# Altium PCB FINAL_PCB_VER1.PcbDoc (part 4 of 4)
Units mil, origin at the board's own origin, x right, y up, seen from the top; angles counter-clockwise.
Board outline 4655 x 4049 mil, 4 copper layers (Top Layer, Mid Layer 1, Mid Layer 2, Bottom Layer), stack 23.756 mil thick; 337 components, 279 nets, 1257 pads, 622 vias.
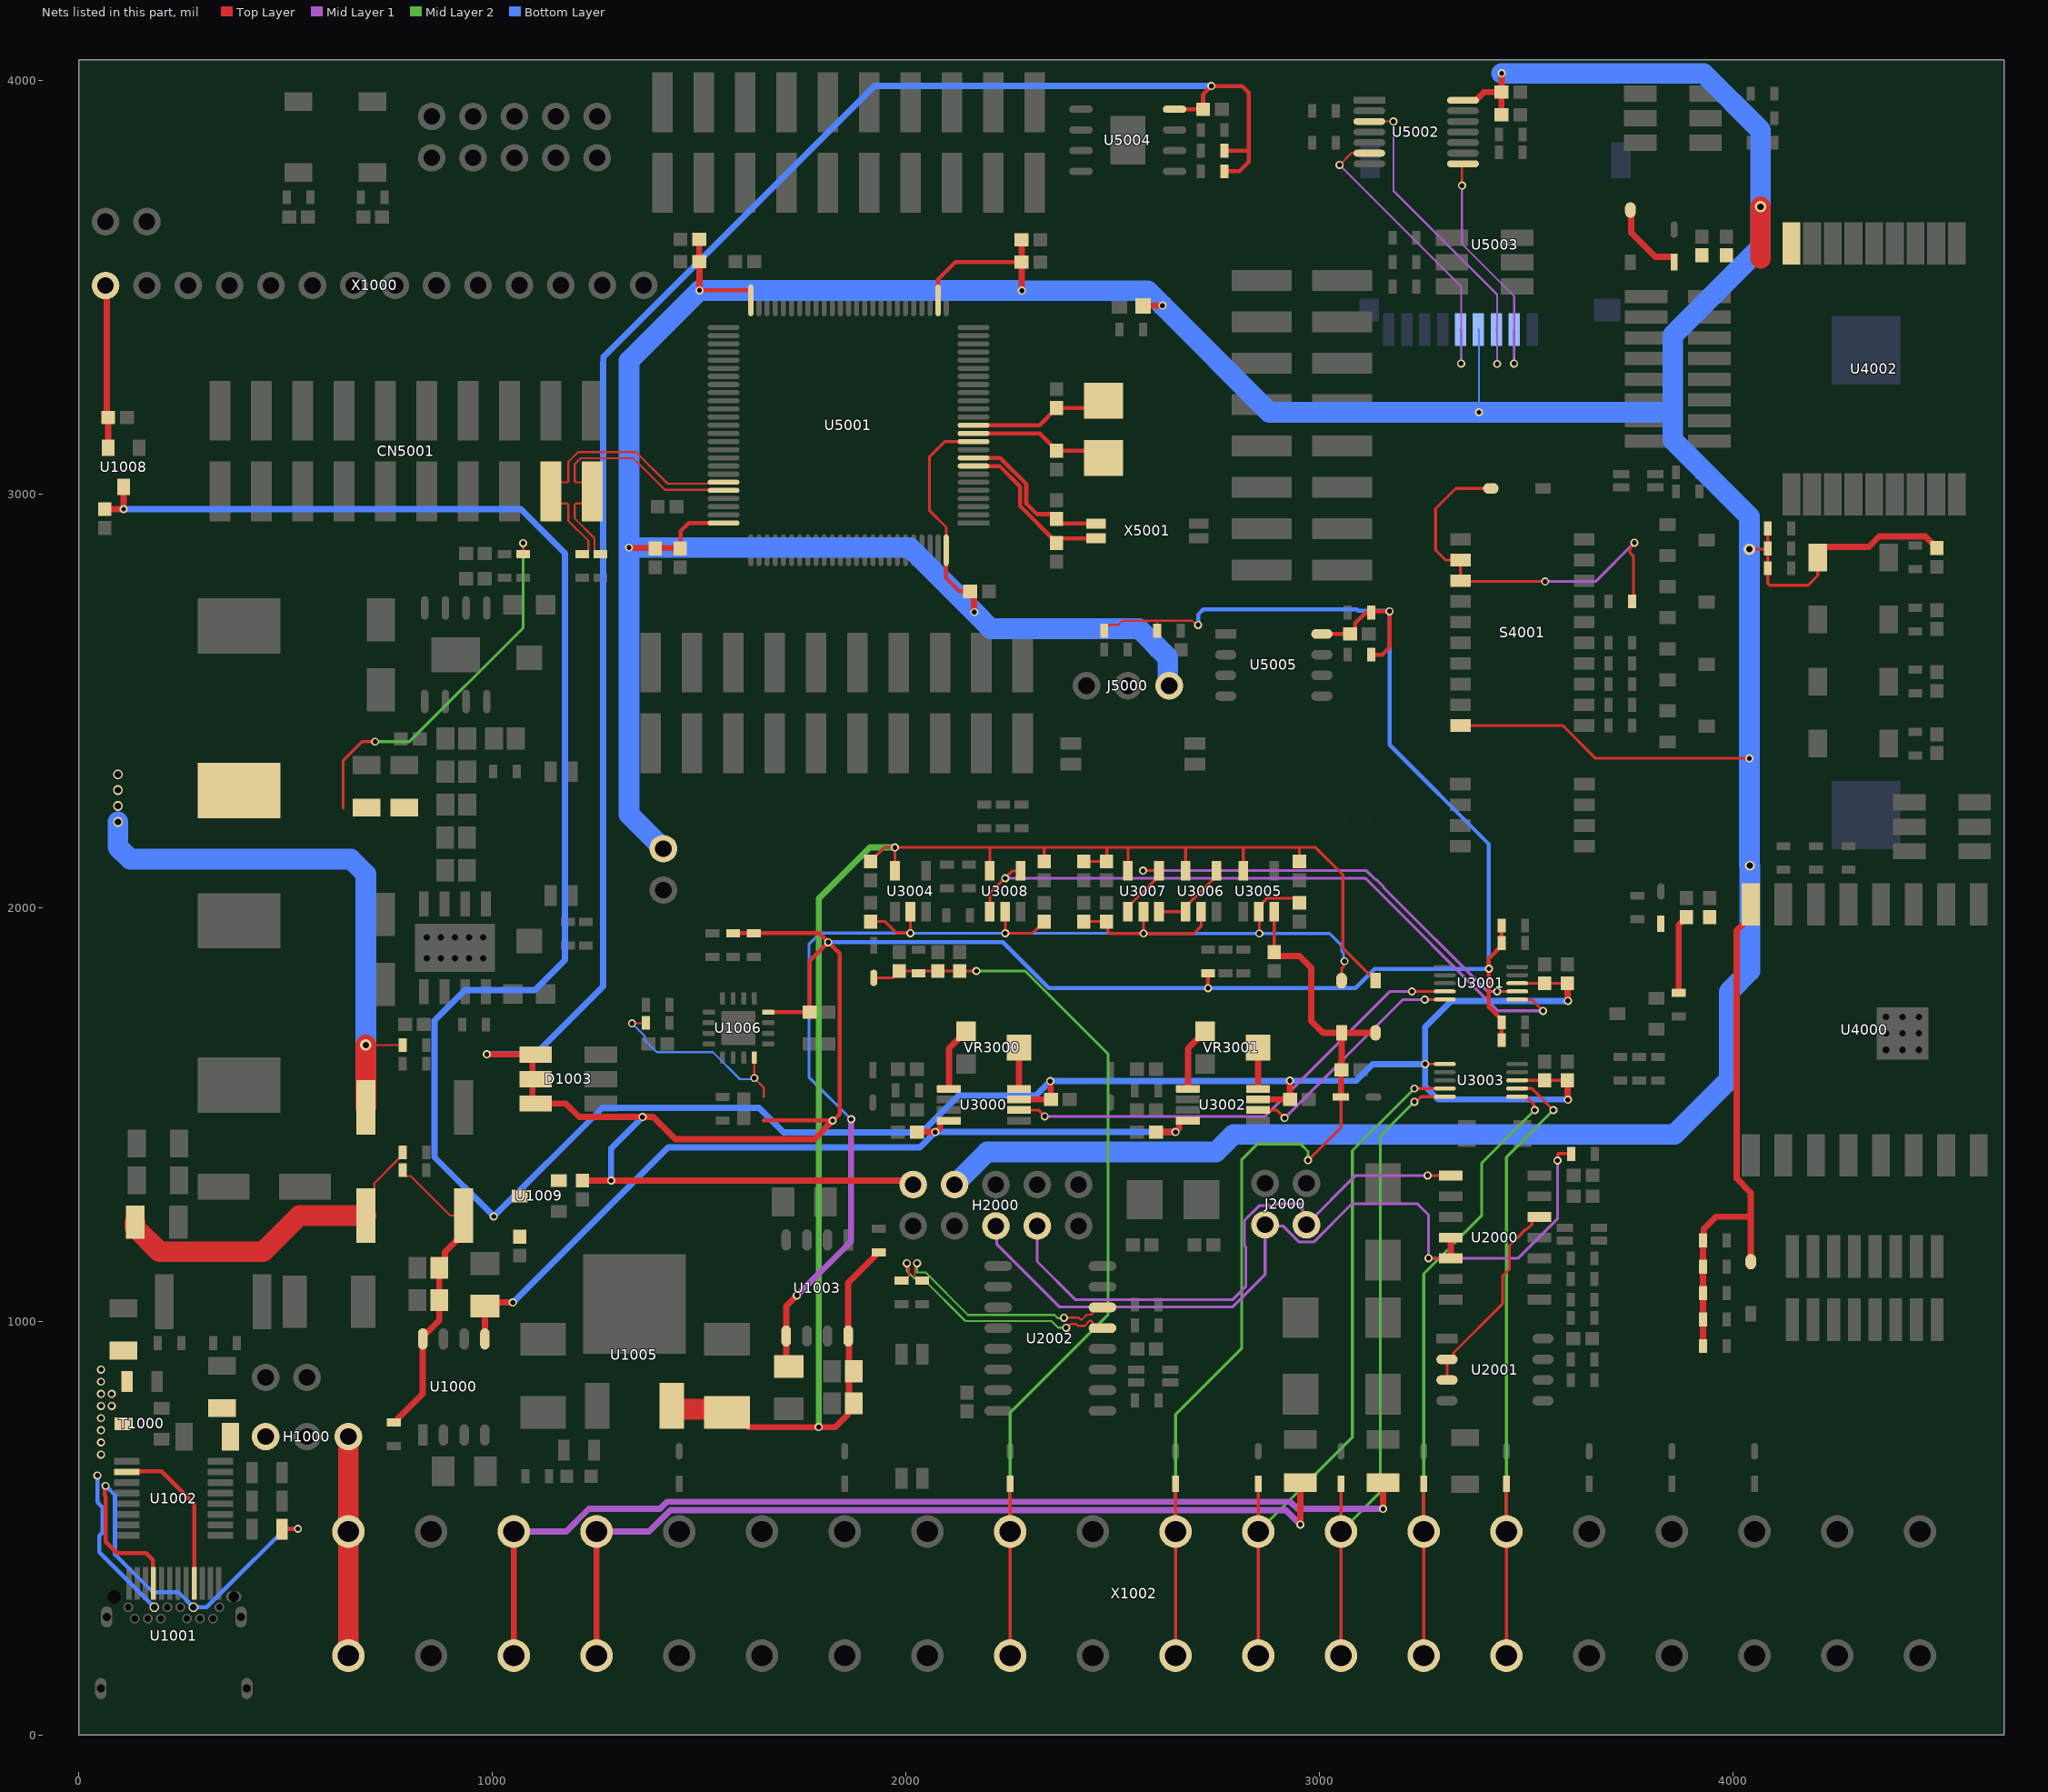
[diagram p6: the nets of this part, all layers, seen from the top]

## Via types
v1: diameter 19.68, hole 11.81, Top Layer to Bottom Layer, tented both sides, 546 vias
v2: diameter 23.62, hole 15.75, Top Layer to Bottom Layer, tented both sides, 29 vias
v3: diameter 19.68, hole 11.81, Top Layer to Bottom Layer, 18 vias
v4: diameter 23.62, hole 15.75, Top Layer to Bottom Layer, 17 vias
v5: diameter 27.56, hole 15.75, Top Layer to Bottom Layer, 6 vias
v6: diameter 236.22, hole 122.05, Top Layer to Bottom Layer, 3 vias
v7: diameter 51.18, hole 39.37, Top Layer to Bottom Layer, tented both sides, 2 vias
v8: diameter 157.48, hole 122.05, Top Layer to Bottom Layer, 1 vias

## Nets (pads, with @x,y where several pads share a name; then routed paths per layer and width w, separated by ;. In a path a pad name is that pad's centre, name@x,y a point inside that pad or via, vN(x,y) a via of type N, cw(c..) or ccw(c..) an arc to the next point about the centre after c; other vN are vias at no path point) (continued)
NetU2000_12: U2000.12 U2001.2 U2001.3 | length 499.5
  Top Layer w7: U2001.3@3307.86,857.47 U2001.2@3307.86,907.47 3316,907.47 3323.53,915.01 3323.53,923.15 3442,1041.61 3442,1108.97 3458.66,1125.63 3458.66,1182.6 3469.4,1193.34 3470.25,1193.34 3499.22,1222.31 3501.59,1222.31 3513.07,1233.79 3513.07,1243.69 3521.38,1252 U2000.12@3531.28,1252
NetU3000_1: U3000.1 VR3000.1 | length 156.1
  Top Layer w15: U3000.1@2103.47,1561.39 2103.47,1659.03 VR3000.1@2144.81,1700.37
NetU3000_6: U3000.6 U3001.4 | length 1161
  Top Layer w7: U3000.6@2272.76,1510.2 2319.8,1510.2 v1(2335,1495) ; v1(3223,1797) U3001.4@3302.4,1797.01
  Mid Layer 1 w7: v1(2335,1495) 2867.94,1495 3169.94,1797 v1(3223,1797)
NetU3000_8: U3000.8 VR3000.2 | length 99.6
  Top Layer w15: U3000.8@2272.76,1561.39 VR3000.2@2272.76,1661
NetU3001_5: U3001.5 U3002.6 | length 578.1
  Top Layer w7: U3002.6@2850.84,1510.2 2895.8,1510.2 v1(2915,1491) ; v1(3254,1777) 3254.16,1777.16 3302.24,1777.16 U3001.5@3302.4,1777.32
  Mid Layer 1 w7: v1(2915,1491) 3201,1777 v1(3254,1777)
NetU3001_6: U3001.6 U3008.1 U3008.4 | length 1648.5
  Top Layer w7: U3008.1@2202.38,1989.57 2202.38,2034.17 2256.59,2088.39 U3008.4@2277.18,2088.39 ; U3001.6@3477.6,1777.32 3512.68,1777.32 v1(3540,1750)
  Mid Layer 1 w7: v1(2239.78,2070.47) 3110.53,2070.47 3431,1750 v1(3540,1750)
NetU3001_7: U3001.7 U3007.1 U3007.4 | length 1195.6
  Top Layer w7: U3007.1@2536.6,1989.57 2536.6,2001.77 2602.89,2068.07 2603.29,2068.07 2611.4,2076.18 U3007.4@2611.4,2088.39 2610.79,2089 v1(2573,2089) ; v1(3429,1797) U3001.7@3477.6,1797.01
  Mid Layer 1 w7: v1(2573,2089) 3113,2089 3134.48,2067.52 3136.74,2067.52 3154.52,2049.74 3154.52,2047.48 3405,1797 v1(3429,1797)
NetU3002_1: U3002.1 VR3001.1 | length 156.1
  Top Layer w15: U3002.1@2681.55,1561.39 2681.55,1659.03 VR3001.1@2722.89,1700.37
NetU3002_8: U3002.8 VR3001.2 | length 99.6
  Top Layer w15: U3002.8@2850.84,1561.39 VR3001.2@2850.84,1661
NetU3006_1: U3006.1 U3006.4 U3007.3 | length 194.5
  Top Layer w7: U3007.3@2611.4,1989.57 U3006.1@2675.9,1989.57 2675.9,2001.77 2742.19,2068.07 2742.59,2068.07 2750.7,2076.18 U3006.4@2750.7,2088.39
NetU5002_3: U5002.3 U5003.3 | length 831.9
  Top Layer w5: U5002.3@3120.12,3900.12 v1(3178.3,3900.1)
  Mid Layer 1 w5: v1(3178.3,3900.1) 3178.3,3732.4 3429,3481.7 v1(3429,3314)
  Bottom Layer w5: U5003.3@3427.2,3397 3429,3395.2 v1(3429,3314)
NetU5002_6: U5002.6 U5003.5 | length 768.2
  Top Layer w5: v1(3048,3795) 3076.35,3823.35 U5002.6@3120.12,3823.35
  Mid Layer 1 w5: v1(3048,3795) 3342,3501 v1(3342,3315)
  Bottom Layer w5: U5003.5@3340.59,3397 3342,3395.59 v1(3342,3315)
NetU5002_8: U5002.8 U5003.2 | length 618.2
  Top Layer w5: v1(3344,3745) 3344,3795.24 U5002.8@3346.53,3797.76
  Mid Layer 1 w5: v1(3344,3745) 3344,3604 3470,3478 v1(3470,3315)
  Bottom Layer w5: v1(3470,3315) 3470,3396.49 U5003.2@3470.51,3397
OSC32_IN: C5011.1 U5001.8 X5001.1 | length 405.7
  Top Layer w10: U5001.8@2163,3067.2 2225.8,3067.2 2275.5,3017.5 2275.5,2970.58 2363.83,2882.25 C5011.1@2363.83,2881.35 ; C5011.1@2363.83,2881.43 2374.82,2892.41 X5001.1@2459.11,2892.41
OSC32_OUT: C5012.1 U5001.9 X5001.4 | length 390
  Top Layer w10: U5001.9@2163,3086.89 2227.32,3086.89 2290.5,3023.71 2290.5,2976.79 2316.49,2950.81 2352.84,2950.81 2363.83,2939.82 2363.83,2938.83 2374.82,2927.85 X5001.4@2459.11,2927.85
OSC_IN: C5007.1 U5001.12 X5000.1 | length 338.8
  Top Layer w10: U5001.12@2163,3145.94 2322.73,3145.94 2363.83,3104.84 C5007.1@2363.83,3103.94 2459.78,3103.94 X5000.1@2476.83,3086.89
OSC_OUT: C5008.1 U5001.13 X5000.2 | length 338.8
  Top Layer w10: U5001.13@2163,3165.63 2322.73,3165.63 2363.83,3206.73 C5008.1@2363.83,3207.64 2459.78,3207.64 X5000.2@2476.83,3224.69
RS485_RX: H2000.8 J2000.2 U2000.1 | length 1408.1
  Top Layer w7: v1(3261,1352) U2000.1@3316.72,1352
  Mid Layer 1 w7: H2000.8@2317,1230 2317,1144 2409,1052 2790,1052 2821,1083 2821,1180 2818,1183 2818,1243.29 2853.75,1279.04 2890.35,1279.04 2894.32,1283 2952.9,1283 2958.93,1276.96 2958.93,1242.07 J2000.2@2968,1233 3087,1352 v1(3261,1352)
RS485_TX: H2000.6 J2000.4 R2000.1 U2000.4 U2000.5 | length 2122.2
  Top Layer w7: v1(3263,1152) U2000.5@3316.72,1152 ; v1(3575,1388.16) 3575.65,1388.81 3575.65,1403.75 3576.9,1405 3607.46,1405 R2000.1@3608.46,1404
  Top Layer w15: U2000.5@3316.72,1152 U2000.4@3316.72,1202
  Mid Layer 1 w7: H2000.6@2217,1230 2218.96,1228.04 2218.96,1186.04 2371,1034 2789,1034 2868,1113 J2000.4@2868,1233 2871.31,1229.69 2911.96,1229.69 2950.62,1191.04 2985.38,1191.04 3078.1,1283.75 3236.3,1283.75 3263,1257.05 v1(3263,1152) 3479.94,1152 3575,1247.06 v1(3575,1388.16)
RS485A: F2000.1 X1002.3 | length 2502.1
  Top Layer w15: X1002.3@1051.41,191.29 X1002.3@1051.41,491.29 ; v1(3153.31,546) F2000.1@3153.31,609.29
  Mid Layer 1 w15: X1002.3@1051.41,491.29 1178.06,491.29 1232.77,546 1404.49,546 1421.64,563.16 2929.13,563.16 2946.28,546 v1(3153.31,546)
RS485B: F2001.1 X1002.4 | length 2139.2
  Top Layer w15: X1002.4@1251.41,191.29 X1002.4@1251.41,491.29 ; v1(2953.31,508) F2001.1@2953.31,609.29
  Mid Layer 1 w15: X1002.4@1251.41,491.29 1378.06,491.29 1429.93,543.16 2918.16,543.16 v1(2953.31,508)
RXD1: D4003.1 R4016.2 S4001.2 S4001.3 | length 986.4
  Top Layer w7: D4003.1@3413.9,3013 3329,3013 3280.08,2964.08 3280.08,2863.92 3304.24,2839.76 S4001.2@3340.59,2839.76 S4001.3@3340.59,2789.76 3342.35,2788 v1(3545,2788) ; R4016.2@3755.54,2739.76 3758.5,2742.71 3758.5,2849.56 3750,2858.05 3750,2867.57 3761,2878.57 v1(3761,2882)
  Mid Layer 1 w7: v1(3545,2788) 3667,2788 v1(3761,2882)
UD_N: R2014.2 U2002.6 | length 579.7
  Top Layer w5: 2021.5,1131.18 2021.5,1107.82 2024.43,1104.89 2031.66,1104.89 R2014.2@2039,1097.54 ; v1(2381.78,1008.13) 2416.97,1008.13 2421.25,1003.85 2425.39,1003.85 2437.05,1015.5 2447.4,1015.5 2450.33,1018.43 2450.33,1024.4 2458.93,1033 U2002.6@2474.72,1033
  Mid Layer 2 w5: v1(2026.34,1140) 2026.5,1139.84 2026.5,1117.66 2046.95,1117.66 2149.45,1015.16 2161.36,1015.16 2237.22,1015.16 2358.84,1015.16 2367.37,1006.63 2380.29,1006.63 v1(2381.78,1008.13)
UD_P: R2012.2 U2002.5 | length 614.9
  Top Layer w5: R2012.2@1989,1097.54 1996.34,1104.89 2003.57,1104.89 2006.5,1107.82 2006.5,1131.18 ; v1(2387,984) 2388.14,984 2397.27,993.13 2410.76,993.13 2415.04,988.85 2431.61,988.85 2443.26,1000.5 2447.4,1000.5 2450.33,997.57 2450.33,991.6 2458.93,983 U2002.5@2474.72,983
  Mid Layer 2 w5: v1(2001.66,1140) 2001.66,1121.29 2020.29,1102.66 2040.74,1102.66 2143.24,1000.16 2351.43,1000.16 2361.15,990.43 2361.25,990.43 2367.68,984 v1(2387,984)
USB1_N: CN5001.17 R5001.2 U5001.70 | length 727.1
  Top Layer w5: R5001.2@1217,2853.83 1223.89,2853.83 1231.23,2861.17 1231.23,2863.83 1231.5,2864.1 1231.5,2886.28 1183.54,2934.24 1183.54,2973.78 1180.61,2976.71 1163.54,2976.71 1141.04,2999.21 CN5001.17@1141.04,3006 1162.87,3027.83 1180.61,3027.83 1183.54,3030.76 1183.54,3077.76 1206.72,3100.94 1346.78,3100.94 1423.17,3024.55 1521.03,3024.55 1524.31,3027.83 U5001.70@1558.63,3027.83
USB1_P: CN5001.19 R5010.2 U5001.71 | length 701.5
  Top Layer w5: R5010.2@1261,2853.83 1254.11,2853.83 1246.77,2861.17 1246.77,2863.83 1246.5,2864.1 1246.5,2892.49 1198.54,2940.45 1198.54,2973.78 1201.47,2976.71 1218.54,2976.71 1241.04,2999.21 CN5001.19@1241.04,3006 1219.21,3027.83 1201.47,3027.83 1198.54,3030.76 1198.54,3071.55 1212.93,3085.94 1340.56,3085.94 1416.96,3009.55 1557.25,3009.55 U5001.71@1558.63,3008.15
VBUS: C1005.1 R1000.1 R1003.2 T1000.3 U1001.A4 U1001.A9 U1001.B4 U1001.B9 U1002.2 | length 1884
  Top Layer w10: v1(64.41,601.79) 62.56,599.93 62.56,578.65 62.21,578.29 64.41,576.09 64.41,466.79 92.31,438.89 162.31,438.89 178.9,422.3 178.9,367.03 U1001.A4@180.2,365.73 ; U1002.2@116.42,635.2 118.01,636.79 199.41,636.79 278.63,557.58 U1001.A9@278.63,365.73 ; R1003.2@490.83,496.79 491.83,497.79 v1(529.41,497.79)
  Bottom Layer w10: v1(44.41,626.79) 44.41,561.84 56.84,549.41 56.84,488.78 49.41,481.35 49.41,441 U1001.B9@182.17,308.24 ; v1(64.41,601.79) 87.12,579.08 87.12,436.08 178.2,345 239.9,345 U1001.B4@276.66,308.24 308.8,308.24 357.19,356.63 498.35,497.79 v1(529.41,497.79)
  other v1: 53.41,677.45 53.41,706.79 53.41,736.12 53.41,765.45 53.41,794.79 79.07,794.79 53.41,824.12 79.07,824.12 53.41,853.45 53.41,882.79
VCC_0-10_A: C3012.2 C3013.2 C3014.1 D1006.1 R3008.1 TVS3000.2 X1002.9 | length 2325
  Top Layer w7: TVS3000.2@1921.65,1829.71 1967.34,1829.71 1983,1845.38 C3012.2@1983,1846.28 C3014.1@2076.78,1846.28 C3013.2@2129.78,1846.28 v1(2170,1846.28) ; X1002.9@2251.41,191.29 X1002.9@2251.41,491.29 D1006.1@2251.41,606.71
  Mid Layer 2 w7: v1(2170,1846.28) 2288.04,1846.28 2488,1646.33 2488,1015.08 2251.41,778.49 X1002.9@2251.41,491.29
VCC_3V3_LORA: B4002.2 B5000.1 C4002.1 C4003.1 C4004.2 C4010.1 C4011.1 C5000.1 C5001.1 C5002.1 C5003.1 C5004.1 C5005.1 C5006.1 C5015.1 C5017.1 D4000.1 D4002.1 D4005.1 D4007.1 H2000.3 J1001.2 J5000.3 R4001.2 R4002.2 R4003.2 R4004.2 R4005.2 R4019.2 R4020.2 R4021.2 R4027.2 S4001.10 U4000.8 U4002.9 U5001.11 U5001.27 U5001.50 U5001.75 U5001.100 U5002.14 U5003.4 | length 15725.9
  Top Layer w7: U5001.100@2097.03,2863.45 2097.03,2918.97 2056.13,2959.87 2056.13,3089.13 2093.26,3126.26 U5001.11@2163,3126.26 ; S4001.10@3340.59,2439.76 3587.43,2439.76 3666.72,2360.47 v3(4039,2360.47) ; v5(4039,2866) R4020.2@4081.46,2866 ; R4020.2@4083.46,2865 4083.46,2783.1 4087.56,2779 4181,2779 4204.37,2802.37 B4002.2@4204.37,2846 ; R4020.2@4083.46,2868 R4021.2@4083.46,2916
  Top Layer w10: C5006.1@1454,2867.66 1455,2868.66 1455,2910 1474.41,2929.41 U5001.75@1558.63,2929.41 ; v3(1500.45,3491.66) 1623.53,3491.66 1624.59,3490.6 U5001.50@1624.59,3467.81 ; U5001.27@2077.35,3467.81 2077.35,3518.35 2119,3560 C5004.1@2279.28,3560 ; U5001.100@2097.03,2863.45 2097.03,2795.97 2128.89,2764.11 2154.81,2764.11 C5005.1@2154.92,2764
  Top Layer w15: v3(1330,2870) 1330.9,2869.1 1452.56,2869.1 C5006.1@1454,2867.66 ; C5000.1@1499.72,3615 C5003.1@1499.72,3561 1500.09,3560.63 1500.09,3492.03 v3(1500.45,3491.66) ; C5005.1@2154.92,2764 2155.62,2764 2164.1,2755.51 2164.1,2714.9 v3(2165,2714) ; C5002.1@2279.28,3614 2279.64,3613.64 2279.64,3491.36 v3(2280,3491) ; B5000.1@2572.54,3454 2573.04,3454.5 2619.5,3454.5 v3(2620,3455) ; U5002.14@3346.53,3951.31 3377.16,3951.31 3396.84,3970.99 C5017.1@3439.61,3970.99 ; C5015.1@3439.61,3916.53 C5017.1@3439.61,3970.99 ; v1(3439.91,4016.5) 3439.76,4016.35 3439.76,3971.14 C5017.1@3439.61,3970.99 ; D4005.1@3751.09,3686.01 3753.21,3683.89 3753.21,3631.08 3811.81,3572.47 3855.92,3572.47 3857,3571.39 D4007.1@3857,3560.05 ; R4027.2@3868,1793.55 3868,1957.04 3887,1976.04 C4002.1@3887,1976.95 ; R4002.2@3926.91,939.89 R4001.2@3926.91,1195.39 ; R4001.2@3926.91,1202.28 R4001.2@3926.91,1195.39 ; D4000.1@4042.41,1143.75 4042.41,1252.38 ; U4000.8@4042.41,2007.36 4042.41,1977.84 4008.25,1943.68 4008.25,1344.7 4042.41,1310.55 4042.41,1252.38 ; B4002.2@4204.37,2846 4204.37,2856.83 4219.51,2871.96 4327.81,2871.96 4352.74,2896.89 4464.74,2896.89 4492,2869.62 C4004.2@4492,2868.72 ; R4001.2@3926.91,1195.39 3928.35,1196.83 3928.35,1222.35 3958.38,1252.38 4042.41,1252.38
  Top Layer w50: 4066,3569 v5(4066,3694)
  Bottom Layer w5: U5003.4@3383.9,3397 3385.06,3395.83 v1(3385.06,3197)
  Bottom Layer w50: J1001.2@1413,2142 1330,2225 v3(1330,2870) ; H2000.3@2120.24,1333.24 2196,1409 2749.51,1409 2791.67,1451.16 3857.5,1451.16 3989.84,1583.5 3989.84,1796.19 4040,1846.35 v4(4040,2101) ; v3@2279.34,3491.66 v3(1500.45,3491.66) 1330,3321.21 v3(1330,2870) ; v3(2280,3491) 2584,3491 v3(2620,3455) 2878,3197 v1(3385.06,3197) 3854,3197 ; J5000.3@2636.09,2536 2632.85,2539.24 2632.85,2604.15 2563,2674 2205,2674 v3(2165,2714) 2009,2870 v3(1330,2870) ; v1(3439.91,4016.5) 3928.21,4016.5 4066,3878.71 v5(4066,3694) 4066,3595.26 3854,3383.26 3854,3197 ; v4@4039,2102 v3(4039,2360.47) v5(4039,2866) 4039,2945 3854,3130 3854,3197
VCC_3V3_REF: C1023.1 C1024.1 L1001.2 R1010.2 R1011.2 R1024.1 | length 2255.4
  Top Layer w5: v5(693.62,1667.43) R1010.2@782.77,1667.43
  Top Layer w7: 639.02,2239.74 639.02,2355.32 684.49,2400.78 v1(716.05,2400.78) ; R1024.1@1074.05,2853.83 v1(1074.05,2880.78)
  Top Layer w50: R1011.2@693.62,1516.79 v5(693.62,1667.43)
  Mid Layer 2 w7: v1(716.05,2400.78) 799.05,2400.78 1074.05,2675.78 v1(1074.05,2880.78)
  Bottom Layer w50: v2(94.41,2206.79) 94.41,2145.77 123.7,2116.48 657.52,2116.48 693.62,2080.38 v5(693.62,1667.43)
  other v2: 94.41,2245.12 94.41,2283.45 94.41,2321.79
VCC_10-10: C3017.1 C3018.1 D1007.1 D3002.1 D3003.2 TVS3001.1 U3005.3 X1002.11 | length 2426
  Top Layer w7: X1002.11@2651.41,191.29 X1002.11@2651.41,491.29 D1007.1@2651.41,606.71 ; C3018.1@2890,1891.72 U3005.3@2890,1989.57 ; v1(2971.93,1388.68) 3051.41,1468.16 TVS3001.1@3051.41,1541.8
  Top Layer w15: C3018.1@2890,1891.72 2890,1890.81 2898.49,1882.32 2950.68,1882.32 2979.3,1853.7 2979.3,1725.7 3008.01,1696.99 D3003.2@3052.98,1696.99 ; TVS3001.1@3051.41,1541.8 C3017.1@3051.41,1607 ; C3017.1@3052.98,1607 D3003.2@3052.98,1696.99 ; D3002.1@3135,1696.99 D3003.2@3052.98,1696.99
  Mid Layer 2 w7: X1002.11@2651.41,491.29 2651.41,774.41 2811.68,934.68 2811.68,1390.68 2849,1428 2954,1428 2971.93,1410.07 v1(2971.93,1388.68)
VCC_+5_LCD: C1032.1 U1008.2 X1000.1 | length 394.8
  Top Layer w15: X1000.1@64.23,3503.43 67.42,3500.25 67.42,3187.18 C1032.1@70.6,3184 U1008.2@70.6,3111.24
VCC_+5_REF_A: C1020.1 C1034.1 C5016.1 C5018.1 D1003.1 D1003.3 D1003.5 H2000.1 R1027.1 R1028.1 R3000.2 R3001.2 R3004.2 R3005.2 R3010.1 R5002.2 R5003.2 R5004.2 R5011.1 R5030.1 R5031.1 SB1000.2 U1006.4 U1009.2 U5004.8 U5005.8 | length 11337.7
  Top Layer w5: R5011.1@2479,2669 2479,2675.89 2486.35,2683.23 2513.14,2683.23 2523.14,2693.23 2607.47,2693.23 ; R5002.2@2606.9,2669 2606.9,2692.66 2607.47,2693.23 ; v3(2706,2683) 2702.03,2683 2691.79,2693.23 2607.47,2693.23
  Top Layer w10: R1028.1@1581.78,1937.79 1789.97,1937.79 v1(1811.76,1916) 1839.19,1888.58 1839.19,1500.19 1823.78,1484.78 v3(1822.32,1484.78) ; SB1000.2@1655.58,1484.88 1818.75,1484.88 v3@1819.26,1484.37 ; U1006.4@1666.43,1746.81 C1020.1@1766.86,1746.81 1766.86,1871.1 v1@1808.88,1913.12 ; U5004.8@2649.26,3929.52 C5016.1@2718.07,3929.52 2718.07,3965.74 v1(2738.21,3985.87) 2812.13,3985.87 2828,3970 2828,3830.06 ; v1(2730,1805) R3010.1@2730,1840.46 ; R5031.1@2769.33,3779.52 2805.52,3779.52 2828,3802 2828,3830.06 ; R5030.1@2769.33,3829.52 2827.46,3829.52 2828,3830.06 ; U5005.8@3005.14,2661 C5018.1@3073.28,2661 3074.19,2661 3085.18,2671.99 3085.18,2686.43 3111.75,2713 R5003.2@3124.54,2713 3127.54,2716 v3(3169,2716) 3169,2628.86 3151.14,2611 R5004.2@3124.54,2611 ; R3005.2@3439.57,1679 3439.57,1728.89 3409.16,1759.3 v1(3409.16,1851.69) 3409.16,1876.7 3439.57,1907.11 R3000.2@3439.57,1914 R3001.2@3439.57,1956
  Top Layer w15: v1(986,1645) 986.47,1644.53 1095.91,1644.53 1096.39,1644.06 1096.39,1525.94 1177.13,1525.94 1209.69,1493.39 v3(1362.57,1493.39) 1388.61,1493.39 1442,1440 1778.45,1440 1821.69,1483.25 v3@1821.06,1483.88 ; C1034.1@1217,1339.78 v3(1286.73,1339.78) 2007.22,1339.78 H2000.1@2017,1330 ; v3@1820.6,1484.78 v3(1822.32,1484.78)
  Bottom Layer w10: v1(1811.76,1916) 2234,1916 2345,1805 v1(2730,1805) 3086.76,1805 3132.9,1851.14 3408.6,1851.14 v1(3409.16,1851.69) 3409.16,2152.9 3169,2393.06 v3(3169,2716) 3167.47,2717.53 3092.95,2717.53 3089.64,2720.84 2718.84,2720.84 2706,2708 v3(2706,2683)
  Bottom Layer w15: v1(986,1645) 1103.43,1645 1267.73,1809.3 1267.73,3310.67 1268.12,3330.82 1272.51,3335.22 1923.17,3985.87 v1(2738.21,3985.87) ; v3(1286.73,1339.78) 1286.73,1417.55 v3(1362.57,1493.39)
VCC_+5V5: F1001.2 R1021.2 R1023.2 | length 821.2
  Top Layer w5: R1023.2@693.62,1255.08 713.92,1275.38 713.92,1333.12 774.23,1393.43 775.43,1393.43 782.77,1400.77 R1021.2@782.77,1407.66
  Top Layer w50: F1001.2@135.55,1238.78 135.55,1226.28 194.05,1167.78 445.48,1167.78 532.78,1255.08 R1023.2@693.62,1255.08
VCC_+5V5_REF: C1000.1 C1001.1 C1031.1 C1033.1 C3002.1 C3004.1 C3005.1 C3008.1 C3010.1 C3011.1 R1001.2 R1023.1 R1025.2 U1000.8 U1008.3 U1009.3 U3000.7 U3001.8 U3002.7 U3003.1 U3003.8 | length 7828.7
  Top Layer w5: R1025.2@782.77,1364.79 782.77,1357.9 790.11,1350.56 802.17,1350.56 897.64,1255.08 R1023.1@930,1255.08 ; v3(3255,1621.31) U3003.1@3302.4,1621.31
  Top Layer w7: U3003.8@3477.6,1581.94 C3010.1@3544,1581.94 C3011.1@3599,1581.94 ; U3001.8@3477.6,1816.69 C3005.1@3544,1816.69 C3004.1@3599,1816.69
  Top Layer w15: C1031.1@62,2963 v3(108,2963) U1008.3@108,3016.76 ; R1001.2@761.41,754.72 768.3,754.72 770.65,757.07 770.65,763.96 831.41,824.72 831.41,968.7 835.25,972.54 842.11,972.54 871.06,1001.49 C1001.1@871.06,1050.68 C1000.1@871.06,1128.68 885.22,1142.84 885.22,1166.99 930,1211.78 R1023.1@930,1255.08 ; U3000.7@2272.76,1535.8 C3008.1@2350.4,1535.8 2349.24,1536.96 2349.24,1579.1 v3(2348.34,1580) ; U3002.7@2850.84,1535.8 C3002.1@2928.48,1535.8 2928.24,1536.04 2928.24,1580.76 v1(2928,1581) ; C3011.1@3599,1581.94 3599.5,1581.44 3599.5,1535.5 v1(3600,1535) ; C3004.1@3599,1816.69 3599.5,1816.19 3599.5,1774.5 v1(3600,1774)
  Bottom Layer w15: v3(108,2963) 1068.6,2963 1175,2856.6 1175,1873.09 1102.05,1800.15 933.82,1800.15 859.71,1726.04 859.71,1396.29 v3@1002.1,1253.9 ; v3(1003,1253) 1265.73,1515.73 1644.27,1515.73 1703.85,1456.15 2037.89,1456.15 2126.74,1545 2313.34,1545 v3(2348.34,1580) 2348.84,1580.5 2927.5,1580.5 v1(2928,1581) 3088.06,1581 3128.37,1621.31 v3(3255,1621.31) ; v1@3599.1,1535.9 3286.59,1535.9 3255,1567.49 v3(3255,1621.31) ; v1(3600,1774) 3318,1774 3255,1711 v3(3255,1621.31)
VCC_+12: C1006.1 C1007.1 C1011.2 C3015.1 C3019.1 C3021.1 C3023.1 C3025.1 D3002.2 R1006.2 U1003.8 U1005.3 U3004.5 U3005.5 U3006.5 U3007.5 U3008.5 | length 4322
  Top Layer w7: C3015.1@1913.78,2111.29 1913.78,2112.19 1926.26,2124.68 1927.17,2124.68 1947.49,2145 1972.83,2145 v1(1972.93,2144.9) ; U3004.5@1972.93,2088.39 v1(1972.93,2144.9) ; U3008.5@2202.38,2088.39 2202.38,2144.72 2202.09,2145 ; C3025.1@2333.78,2111.29 2333.78,2144.13 2334.64,2145 ; C3023.1@2430,2111.29 C3021.1@2484,2111.29 2485.58,2112.86 2485.58,2145 ; U3007.5@2536.6,2088.39 2536.6,2144.3 2537.3,2145 ; U3006.5@2675.9,2088.39 2675.9,2145 ; U3005.5@2815.2,2088.39 2815.2,2144.2 2816,2145 ; 2950.3,2145 2816,2145 ; C3019.1@2951,2111.29 2951,2142 ; 2951,2145 2990.41,2145 3056,2079.41 3056,1902.01 D3002.2@3135,1823.01 ; v1(1972.93,2144.9) 1973.03,2145 2202.09,2145 ; 2202.09,2145 2334.64,2145 ; 2334.64,2145 2485.58,2145 ; 2485.58,2145 2537.3,2145 ; 2537.3,2145 2675.9,2145 ; 2675.9,2145 2816,2145
  Top Layer w15: C1011.2@1567,779.25 1582.75,779.25 1618.32,743.68 v1(1788.77,743.68) 1829.12,743.68 1859.02,773.57 1859.02,786.85 C1006.1@1873.17,801 1861.66,812.52 1861.66,962.27 U1003.8@1860.07,963.86 1860.07,1092.06 1924.84,1156.83 1924.84,1163.72 1927.18,1166.06 R1006.2@1934.07,1166.07
  Top Layer w50: U1005.3@1433,795 1433,791.65 1437.53,787.13 1559.13,787.13 C1011.2@1567,779.25
  Mid Layer 2 w15: v1(1788.77,743.68) 1788.77,2020.77 1912.9,2144.9 v1(1972.93,2144.9)
VCC_-5V5: C1003.1 C3003.1 C3009.1 U1000.5 U3000.4 U3002.4 | length 2118.7
  Top Layer w15: U1000.5@981.41,956.93 C1003.1@981.41,1036.82 ; C1003.1@985.13,1033.11 997.02,1045 v1(1049,1045) ; C3009.1@2025.83,1457 v1(2070.34,1457) 2073.3,1457 2082.09,1465.79 2082.09,1482.67 2084.04,1484.61 U3000.4@2103.47,1484.61 ; C3003.1@2603.91,1457 v1(2651.39,1457) 2660.17,1465.79 2660.17,1482.67 2662.12,1484.61 U3002.4@2681.55,1484.61
  Bottom Layer w15: v1@1050,1045 1424.66,1419.66 2033,1419.66 v1(2070.34,1457) v1(2651.39,1457)
VCC_-12: C1009.1 C3016.1 C3020.1 C3022.1 C3024.1 C3026.1 D3003.1 U1003.5 U3004.2 U3005.2 U3006.2 U3007.2 U3008.2 | length 3429.4
  Top Layer w7: C3016.1@1913.78,1965.85 1949.19,1965.85 1977.04,1938 v1(2010.33,1938) U3004.2@2010.33,1989.57 ; U3008.2@2239.78,1989.57 v1(2239.78,1937.5) 2305.42,1937.5 2320.38,1952.46 2321.29,1952.46 2333.78,1964.95 C3026.1@2333.78,1965.85 ; C3024.1@2430,1965.85 C3022.1@2484,1965.85 2487.44,1962.42 2487.44,1942.56 2493,1937 v1(2574,1937) ; U3007.2@2574,1989.57 v1(2574,1937) ; U3006.2@2713.3,1989.57 2713.3,1954.3 2696,1937 v1(2574,1937) ; v1(2854,1937) 2854,1988.17 U3005.2@2852.6,1989.57 2852.6,2001.77 2872.71,2021.89 2940.4,2021.89 C3020.1@2951,2011.29 ; D3003.1@3052.98,1823.01 3052.98,1852.35 3057.59,1856.97 3057.59,1867.53 v1(3060.02,1869.96)
  Top Layer w15: C1009.1@1716.17,890.18 1710.07,896.31 U1003.5@1710.07,963.86 1710.07,1036.07 v1(1736,1062)
  Mid Layer 1 w15: v1(1736,1062) 1867,1193 v1(1867,1488)
  Bottom Layer w7: v1(1867,1488) 1765,1590 1765,1911 1792,1938 v1(2010.33,1938) 2010.83,1937.5 v1(2239.78,1937.5) 2573.5,1937.5 v1(2574,1937) v1(2854,1937) 3024,1937 3052.98,1908.02 3052.98,1893.8 3057.59,1889.19 3057.59,1872.39 v1(3060.02,1869.96)
VCC_TERMINAL: H1000.3 X1002.1 | length 529.5
  Top Layer w50: X1002.1@651.41,191.29 X1002.1@651.41,491.29 H1000.3@651.41,720.79
VCC_TYPE-C: C1004.1 H1000.1 R1002.2
VOL_IN_ADC_0: D1018.1 U3003.4 X1002.12 | length 1716.2
  Top Layer w7: X1002.12@2851.41,191.29 X1002.12@2851.41,491.29 D1018.1@2851.41,606.71 ; v1(3229,1562.26) U3003.4@3302.4,1562.26
  Mid Layer 2 w7: X1002.12@2851.41,491.29 3079.05,718.93 3079.05,1412.31 v1(3229,1562.26)
VOL_IN_ADC_1: D1008.1 U3003.5 X1002.13 | length 1606.3
  Top Layer w7: X1002.13@3051.41,191.29 X1002.13@3051.41,491.29 D1008.1@3051.41,606.71 ; v1(3229,1530) 3232.43,1530 3245.01,1542.57 U3003.5@3302.4,1542.57
  Mid Layer 2 w7: X1002.13@3051.41,491.29 3146.36,586.23 3146.36,1447.36 v1(3229,1530)
VOL_IN_ADC_2: D1009.1 U3003.6 X1002.14 | length 1608.2
  Top Layer w7: X1002.14@3251.41,191.29 X1002.14@3251.41,491.29 D1009.1@3251.41,606.71 ; U3003.6@3477.6,1542.57 3499.25,1542.57 3517.57,1524.25 3517.57,1512.43 v1(3520,1510)
  Mid Layer 2 w7: X1002.14@3251.41,491.29 3251.41,1114.47 3391.36,1254.42 3391.36,1381.36 v1(3520,1510)
VOL_IN_ADC_3: D1010.1 U3003.7 X1002.15 | length 1590.2
  Top Layer w7: X1002.15@3451.41,191.29 X1002.15@3451.41,491.29 D1010.1@3451.41,606.71 ; U3003.7@3477.6,1562.26 3512.74,1562.26 v1(3565,1510)
  Mid Layer 2 w7: X1002.15@3451.41,491.29 3451.41,1396.41 v1(3565,1510)
VPU: R1013.2 SB1000.1 U1006.16 | length 496.9
  Top Layer w5: v1(1337.21,1719.79) 1369.61,1719.79 R1013.2@1371.03,1721.22 ; U1006.16@1632.96,1636.57 v1(1632.96,1587.48) 1655.58,1564.86 SB1000.1@1655.58,1541.97
  Bottom Layer w5: v1(1337.21,1719.79) 1367.89,1689.11 1367.89,1679.3 1396.94,1650.24 1532.76,1650.24 1598.13,1584.88 1630.36,1584.88 v1(1632.96,1587.48)
pads on no net: CN5000.20 CN5002.2 CN5002.19 CN5002.20 H2000.9 H2000.10 S4001.1 S4001.20 U1000.6 U1000.7 U1001. U1001.A2 U1001.A3 U1001.A8 U1001.A10 U1001.A11 U1001.B2 U1001.B3 U1001.B8 U1001.B10 U1001.B11 U1001.SH1 U1001.SH2 U1001.SH3 U1001.SH4 U1002.3 U1002.4 U1002.6 U1002.7 U1002.8 U1002.9 U1002.10 U1002.14 U1002.15 U1003.6 U1003.7 U1004.2 U1004.3 U1006.17@1572.16,1686 U1006.17@1572.16,1730.84 U1006.17@1617,1686 U1006.17@1617,1730.84 U2002.10 U2002.11 U2002.12 U2002.15 U4002.18 U5003.1 U5003.8 U5003.CD U5004.9 VR1000.3 VR1001.3 VR3000.3 VR3001.3
copper on no net:
  other v4: 2514.42,3811.21 2557.72,3811.21 2514.42,3854.52 2557.72,3854.52 2514.42,3897.83 2557.72,3897.83
  other v7: 3231.14,3826.13 3545.31,3826.13

## Polygon pours and split planes (outlines as drawn)
GND on Top Layer "GND_L01_P005" (solid, pour order 5): 0,0 4655,0 4655,4049 0,4049
GND on Top Layer "GND_L01_P003" (solid, pour order 3): 2163,3055 2215,3055 2265,3005 2265,2870 2365,2770 2759,2770 2759,3317 2327,3320 2182,3175 2163,3174.67
GND on Top Layer "GND_L01_P000" (solid, pour order 0): 2778.8,1062.58 ccw(c2778.8,1096.73) 2802.95,1072.58 ccw(c2778.81,1096.72) 2812.95,1096.73 2812.95,1343.44 ccw(c2792.29,1344.48) 2810.34,1354.58 ccw(c2761.81,1324.16) 2800.2,1366.67 ccw(c2769.24,1332.42) 2778.8,1377.58 2520.02,1377.58 ccw(c2521.43,1357.11) 2505.95,1370.58 ccw(c2540.74,1337.79) 2492.95,1336.37 2492.95,1194.66 cw(c2475.88,1194.65) 2487.95,1182.58 cw(c2463.81,1206.72) 2463.8,1172.58 2452.95,1172.58 ccw(c2452.94,1148.45) 2435.88,1165.51 2432.95,1162.58 ccw(c2469.15,1126.37) 2417.95,1126.37 2417.95,1089.66 ccw(c2435.02,1089.65) 2422.95,1077.58 2427.34,1073.19 ccw(c2452.95,1098.8) 2452.95,1062.58
GND on Mid Layer 1 "GND_L02_P004" (solid, pour order 4): 0,0 4655,0 4655,4049 0,4049
GND on Mid Layer 2 "GND_L03_P006" (solid, pour order 6): 0,0 4655,0 4655,4049 0,4049
GND on Bottom Layer "GND_L04_P007" (solid, pour order 7): 0,0 4655,0 4655,4049 0,4049

## Keep-outs
Keep-Out Layer:
  the board outline again, w5

## Other copper
Top Layer:
  region net NetJ1001_1: 1037,1582.89 907.2,1582.89 907.2,1427 1037,1427
  region net VCC_3V3_LORA: 4155,3540 4162.43,3553.82 4162.43,3593.51 3831.41,3593.51 3831.41,3540
  region net VCC_3V3_LORA: 4045,1940 4064.06,1956.18 4064.06,2125 4020.75,2125 4020.75,1993.84 3795.47,1993.84 3795.47,1956.18 3816.42,1940
  region net VCC_+5_REF_A: 1232.99,1322.89 1232.99,1356.68 1140.56,1356.68 1140.56,1322.89
  region net VCC_+5V5_REF: 1100,1189 1100,1321 907.2,1321 907.2,1189
  region net MAIN_POW_RAW: 419.8,1112.9 551.26,1112.9 551.26,980.68 419.8,980.68
  region net NetC1010_1: 134.05,1886.48 134.05,2061.79 854.05,2061.79 854.05,1970.78 790.01,1970.78 790.01,1886.48
  region net NetC1014_1: 433.05,1393.78 487.45,1393.78 487.45,1637.15 220.52,1637.15 220.52,1197.78 433.05,1197.78
  region net VCC_3V3_REF: 286.66,2349.81 487.45,2349.81 487.45,2263.32 830.05,2263.32 830.05,2176.79 54.41,2176.79 54.41,2349.81
  region net NetC1022_1: 134.05,2601.78 134.05,2757.78 851.05,2757.78 851.05,2667.78 780.23,2601.78
  region net NetF1000_1: 404.41,966.79 649.41,966.79 649.41,1109.78 716.62,1109.78 716.62,906.79 504.41,906.79 504.41,816.79 404.41,816.79
  region net VCC_TYPE-C: 312.26,684.79 312.26,811.32 484.41,811.32 499.41,791.79 499.41,684.79
  region net NetR1000_2: 175.08,886.79 175.08,766.79 230.41,766.79 230.41,663.79 244.41,649.79 369.41,649.79 379.41,657.79 379.41,671.79 369.41,679.79 297.41,679.79 297.41,863.26 265.41,886.79
  region net VBUS: 34.41,586.79 49.41,571.79 75.67,571.79 75.67,627.13 145.31,627.13 145.31,643.27 75.67,643.03 75.67,691.79 164.41,691.79 164.41,958.79 34.41,958.79
Bottom Layer:
  region net VCC_3V3_LORA: 1305,2910 ccw(c1233.39,3010.38) 1355,2990 ccw(c1539.68,3111.51) 1495,2895 1495,2874 1495,2845 ccw(c1510.71,2684.31) 1355,2727 1305,2806
  region net VCC_3V3_LORA: 1305,2923 1350.17,2923 cw(c1350.17,2916.17) 1355,2921
  region net VCC_3V3_LORA: 1305,2955 1352.59,2955 cw(c1352.59,2951.59) 1355,2954
  region net VCC_3V3_LORA: 1339,2913 1347.76,2913 cw(c1347.76,2902.76) 1355,2910
  region net VCC_3V3_LORA: 1305,2922 1349,2922 cw(c1349,2918) 1353,2918
  region net VBUS: 34.41,586.79 49.41,571.79 75.67,571.79 75.67,627.13 75.67,643.03 75.67,691.79 164.41,691.79 164.41,896.79 34.41,896.79

## Silkscreen, mask and mechanical layers (free items; w line width, h text height)
Top Overlay:
  lines w5: 8,3440 8,2870.37 8,1136.79 ; 11.24,3556.43 11.24,4039 416,4039 ; 11.24,3604 11.24,3608 416,3608 ; 24,8 8,8 8,1136.79 ; 33.81,1136.79 33.81,2885 ; 214.23,3708 416,3708 ; 214.23,3718 416,3718 ; 275.25,2885 275,2885.25 275,2894 275,3377 33.81,3377 33.81,2885 ; 667.47,1136.79 469.41,1136.79 8,1136.79 ; 730,1025 730,576.79 729.41,576.79 1410,576.79 ; 730,1069.17 730,1115 ; 800,3759.24 800,3683.62 ; 800,3965.24 800,4039 ; 898,2885 33.81,2885 ; 900.74,3759.24 905.79,3759.24 ; 903,3608 903,3759.24 ; 903.69,3965.24 906.9,3965.24 ; 1003,3608 1003,3759.24 ; 1030,577 1030,1231 1030,1383 1655,1383 ; 1030,1247.4 1030,1699 1301.41,1699 1301.41,1935.41 1301.41,1955 ; 1103,3608 1103,3759.24 ; 1203,3608 1203,3759.24 ; 1283,2885 1301,2885 1301,2286 ; 1301.41,2123 1301.41,1955 ; 1306,3683.62 800,3683.62 ; 1306,3759.24 1306,3608 800,3608 ; 1306,3965.24 1306,4039 800,4039 ; 1490,576.79 1655,576.79 ; 1607.37,2061.03 1607.37,2040 1718,2040 1718,2064 ; 1655,1247.4 1655,1383 ; 1662.69,2040 1664,2040 1664,2014 ; 1812,576.79 1655,576.79 ; 1851,2274 1851,1955 ; 1892,576.79 1964,576.79 ; 1964,993.94 1964,1383 1851,1383 ; 2008,576.79 2216,576.79 ; 2164,1383 2818,1383 2818,1183 2818,576.79 ; 2297,576.79 2629,576 ; 2675,576.79 2818,576.79 ; 2837.83,576.79 2818,576.79 ; 2865,577 2902,576.79 ; 2985,2392 2971,2402 ; 2985,2412 2971,2402 ; 2987.97,2281.37 2973.97,2291.37 ; 2987.97,2301.37 2973.97,2291.37 ; 2995,2348 3021,2348 ; 3006,576.79 3039,576.79 ; 3018,1383 3018,1498 ; 3018,1981.23 3664.28,1981.23 3664.28,1498 ; 3018,2274 3018,1789.62 ; 3064,576.79 3134,576.79 ; 3075,2351 3302,2351 3302,2266.36 ; 3137.34,3642.79 3137.34,3363 3593,3363 ; 3173,576.79 3235,576.79 ; 3266,576.79 3434,576.79 ; 3281.07,2204.93 3267.07,2214.93 ; 3281.07,2224.93 3267.07,2214.93 ; 3281.64,2256.36 3267.64,2266.36 ; 3281.64,2276.36 3267.64,2266.36 ; 3284,2266.36 3302,2266.36 ; 3465.05,3126.23 3451.05,3136.23 ; 3465.05,3146.23 3451.05,3136.23 ; 3467,576.79 3634,576.79 ; 3467.38,3069.6 3453.38,3079.6 ; 3467.38,3089.6 3453.38,3079.6 ; 3553.74,3363 3553.74,3078 4025.82,3078 4025.82,3533.65 3593,3533.65 ; 3593,3704.66 3593,3363 ; 3593,3743.93 3593,3363 ; 3667,576.79 3835,576.79 ; 3798,576.79 3798,1498 ; 3865,576.79 4037,576.79 ; 3983,1454.21 3983,1498 ; 3983,1954.21 3983,1498 ; 4067,576.79 4647,576.79 4647,1389.25 ; 4266.04,576.79 4338,576.79 ; 4647.51,3616.85 4647.51,4040 4254.2,4040 ; 4647.51,3679.78 4254.2,3679.78 4254.2,3743.93 ; 416,3608 416,4039 ; 416,3608 622,3608 800,3608 ; 416,4039 800,4039 ; 800,3608 800,3683.62 ; 1301.41,1955 1851,1955 ; 1655,576.79 1655,1383 ; 1655,1383 1851,1383 ; 1851,1383 1851,1789.62 ; 1851,1789.62 1851,1955 ; 1851,1789.62 3018,1789.62 ; 2971,2402 2995,2402 2995,2291.37 2973.97,2291.37 ; 3018,1498 3018,1789.62 ; 3018,1498 3798,1498 ; 3267.07,2214.93 3302,2214.93 3302,2266.36 ; 3267.64,2266.36 3302,2266.36 ; 3451.05,3136.23 3495,3136.23 3495,3079.6 3453.38,3079.6 ; 3664,3743.93 2915,3743.93 2915,4040 3664,4040 ; 3664,3743.93 3664,4040 ; 3664,3743.93 4254.2,3743.93 ; 3664,4040 4254.2,4040 ; 3798,1498 3983,1498 ; 4254.2,3743.93 4254.2,4040 ; 4338,621.56 4338,888.21 4348.9,888.21 4595.79,888.21 4596,888 4596,621.56 4584,621.56 4338,621.56
  text "EEPROM" at 3156,3990 h40
  text "RST" at 477.68,3982.12 h40
  text "USER" at 636.69,3982.12 h40
  text "DEBUG" at 959.7,3982.12 h40
  text "//" at 1371,3969.03 h30 r90
  text "44" at 1574.81,3969.03 h30 r90
  text "42" at 1674.81,3969.03 h30 r90
  text "40" at 1774.81,3969.03 h30 r90
  text "38" at 1874.81,3969.03 h30 r90
  text "36" at 1974.81,3969.03 h30 r90
  text "34" at 2074.81,3969.03 h30 r90
  text "32" at 2174.81,3969.03 h30 r90
  text "28" at 2274.81,3969.03 h30 r90
  text "SCL" at 1476.81,3953.03 h30 r90
  text "MOSI" at 30.91,3726.87 h20
  text "GND" at 826.34,3711.43 h20
  text "GND" at 926.34,3711.43 h20
  text "GND" at 1026.34,3711.43 h20
  text "SWCLK" at 1106.35,3711.43 h20
  text "SWDIO" at 1208.01,3711.43 h20
  text "SCK" at 233.11,3684.66 h20 r270
  text "HoangNH FF Board V2" at 2380,3657.99 h80
  text "//" at 1383.51,3642.02 h30
  text "SDA" at 1463.51,3642.02 h30
  text "45" at 1583.51,3642.02 h30
  text "43" at 1683.51,3642.02 h30
  text "41" at 1790.17,3642.02 h30
  text "39" at 1883.51,3642.02 h30
  text "37" at 1983.51,3642.02 h30
  text "35" at 2083.51,3642.02 h30
  text "33" at 2183.51,3642.02 h30
  text "//" at 2283.51,3642.02 h30
  text "JTRST" at 806.35,3635.81 h20
  text "JTDO" at 916.35,3635.81 h20
  text "JTDI" at 1019.68,3635.81 h20
  text "SWCLK" at 1106.35,3635.81 h20
  text "SWDIO" at 1208.01,3635.81 h20
  text "1" at 3546.63,3599.11 h40
  text "25" at 3051.68,3585 h40
  text "CS" at 247.57,3572.59 h20
  text "RST" at 337.58,3572.59 h20
  text "DC" at 447.57,3572.59 h20
  text "MOSI" at 531.29,3572.59 h20
  text "SCK" at 637.96,3572.59 h20
  text "LED" at 737.96,3572.59 h20
  text "MISO" at 829.63,3572.59 h20
  text "TCS" at 938.34,3572.59 h20
  text "TCLK" at 1028.35,3572.59 h20
  text "TDIN" at 1130.01,3572.59 h20
  text "TDO" at 1238.72,3572.59 h20
  text "TIRQ" at 1330.39,3572.59 h20
  text "2" at 3539.97,3540.05 h40
  text "24" at 2784.62,3482.31 h40 r90
  text "3" at 3539.97,3481 h40
  text "1" at 3612,3467.7 h20
  text "2" at 3676.38,3467.7 h20
  text "3" at 3612,3417.7 h20
  text "3" at 3676.38,3417.7 h20
  text "5V" at 30.91,3393.39 h40
  text "GND" at 110.92,3393.39 h40
  text "37" at 230.91,3393.39 h40
  text "38" at 330.91,3393.39 h40
  text "39" at 430.91,3393.39 h40
  text "31" at 537.96,3393.39 h40
  text "29" at 631.29,3393.39 h40
  text "40" at 731.29,3393.39 h40
  text "30" at 831.29,3393.39 h40
  text "42" at 931.68,3393.39 h40
  text "41" at 1038.34,3393.39 h40
  text "43" at 1131.68,3393.39 h40
  text "44" at 1232.05,3393.39 h40
  text "45" at 1332.05,3393.39 h40
  text "63" at 2784.62,3382.31 h40 r90
  text "23" at 3185.35,3382.31 h40 r90
  text "USER LED" at 3213,3380 h40
  text "5" at 3612,3367.7 h20
  text "4" at 3676.38,3367.7 h20
  text "7" at 3612,3317.7 h20
  text "8" at 3676.38,3317.7 h20
  text "51" at 314.38,3304 h40
  text "53" at 407.72,3304 h40
  text "55" at 507.72,3304 h40
  text "57" at 607.72,3304 h40
  text "59" at 707.72,3304 h40
  text "51" at 814.38,3304 h40
  text "63" at 907.72,3304 h40
  text "65" at 1007.72,3304 h40
  text "67" at 1107.72,3304 h40
  text "69" at 1207.72,3304 h40
  text "12" at 2784.62,3285.64 h40 r90
  text "18" at 3185.35,3285.64 h40 r90
  text "9" at 3612,3267.7 h20
  text "10" at 3676.38,3267.7 h20
  text "11" at 3612,3217.7 h20
  text "12" at 3676.38,3217.7 h20
  text "10" at 2784.62,3185.64 h40 r90
  text "16" at 3185.35,3185.64 h40 r90
  text "13" at 3612,3167.7 h20
  text "14" at 3676.38,3167.7 h20
  text "15" at 3612,3117.7 h20
  text "16" at 3676.38,3117.7 h20
  text "8" at 2784.62,3102.3 h40 r90
  text "7" at 3185.35,3102.3 h40 r90
  text "DEFAULT" at 3540.88,3078.97 h30 r90
  text "6" at 2784.62,3002.3 h40 r90
  text "5" at 3185.35,3002.3 h40 r90
  text "MCU PIN" at 261,2960.69 h40 r90
  text "LBOOT" at 4593,2915.98 h30 r270
  text "4" at 2784.62,2902.3 h40 r90
  text "3" at 3185.35,2902.3 h40 r90
  text "52" at 307.72,2885.18 h40
  text "54" at 407.72,2885.18 h40
  text "56" at 507.72,2885.18 h40
  text "58" at 607.72,2885.18 h40
  text "60" at 707.72,2885.18 h40
  text "62" at 807.72,2885.18 h40
  text "64" at 907.72,2885.18 h40
  text "66" at 1007.72,2885.18 h40
  text "UN" at 1107.72,2885.18 h40
  text "UP" at 1207.72,2885.18 h40
  text "//" at 3201,2879.78 h40
  text "LLPRX" at 3201,2828.88 h40
  text "1" at 3185.35,2808.96 h40 r90
  text "2" at 2784.62,2802.3 h40 r90
  text "LRX" at 3201,2778.88 h40
  text "LRST" at 4593,2750.98 h30 r270
  text "340TX" at 3201,2728.88 h40
  text "79" at 1348.68,2700.24 h40
  text "81" at 1455.34,2700.24 h40
  text "83" at 1548.68,2700.24 h40
  text "85" at 1648.68,2700.24 h40
  text "87" at 1748.68,2700.24 h40
  text "91" at 1855.34,2700.24 h40
  text "93" at 1948.68,2700.24 h40
  text "95" at 2048.68,2700.24 h40
  text "97" at 2148.68,2700.24 h40
  text "//" at 2248.68,2700.24 h40
  text "340RX" at 3201,2678.88 h40
  text "LCTS#" at 3201,2628.88 h40
  text "ERST" at 4593,2600.98 h30 r270
  text "LRTS#" at 3201,2578.88 h40
  text "LRTS#" at 3201,2528.88 h40
  text "LCTS#" at 3201,2478.88 h40
  text "3V3" at 1126,2473 h50
  text "EBOOT" at 4593,2465.98 h30 r270
  text "EEN" at 3201,2428.88 h40
  text "DEFAULT" at 3061.47,2290.75 h30 r90
  text "ESP_TXD" at 3701,2285.5 h30
  text "3V3_EN" at 1251.59,2275.37 h30 r270
  text "5V_EN" at 1300,2275.37 h30 r270
  text "78" at 1348.68,2270.12 h40
  text "80" at 1448.68,2270.12 h40
  text "82" at 1548.68,2270.12 h40
  text "84" at 1648.68,2270.12 h40
  text "86" at 1748.68,2270.12 h40
  text "88" at 1848.68,2270.12 h40
  text "92" at 1948.68,2270.12 h40
  text "94" at 2048.68,2270.12 h40
  text "96" at 2148.68,2270.12 h40
  text "98" at 2248.68,2270.12 h40
  text "CH340 EN UART" at 2409.47,2263 h20
  text "ESP_RXD" at 3701,2235.5 h30
  text "signal processing" at 2520,2222 h30
  text "GPIO15" at 3701,2183 h30
  text "GPIO13" at 3701,2133 h30
  text "DEFAULT" at 1568,1970 h30
  text "ADC" at 3045,1898 h60
  text "5V" at 1178,1745 h30
  text "4-20mA" at 2291,1742 h40
  text "POWER" at 1078.71,1437 h30
  text "TESTING" at 1961.5,1395.95 h30
  text "4TX" at 2177.01,1395.95 h30
  text "4RX" at 2277.01,1395.95 h30
  text "//" at 2392.01,1396.33 h30
  text "MONITORING" at 1078.71,1392 h30
  text "2" at 4136.34,1234.57 h20
  text "4" at 4187.9,1234.57 h20
  text "6" at 4237.9,1234.57 h20
  text "8" at 4286.34,1234.57 h20
  text "10" at 4328,1234.57 h20
  text "12" at 4378,1234.57 h20
  text "14" at 4428,1234.57 h20
  text "16" at 4478,1234.57 h20
  text "5V" at 2000.34,1145 h20
  text "3V3" at 2090.34,1145 h20
  text "1" at 4139.67,895.56 h20
  text "3" at 4186.34,895.56 h20
  text "5" at 4236.34,895.56 h20
  text "7" at 4286.34,895.56 h20
  text "9" at 4336.34,895.56 h20
  text "11" at 4381.34,895.56 h20
  text "13" at 4428,895.56 h20
  text "15" at 4478,895.56 h20
  text "485" at 3657,727 h40
Bottom Overlay:
  drawing of 9 lines, arcs and shapes, not listed
  text "VCC" at 704.73,304 h40
  text "GND" at 904.73,304 h40
  text "485A" at 1124.72,304 h40
  text "485B" at 1324.72,304 h40
  text "CA+" at 1504.73,304 h40
  text "CA-" at 1704.73,304 h40
  text "CB+" at 1904.73,304 h40
  text "CB-" at 2104.73,304 h40
  text "010A+" at 2341.38,304 h40
  text "010A-" at 2541.38,304 h40
  text "10+" at 2701.4,304 h40
  text "A0" at 2884.74,304 h40
  text "A1" at 3078.07,304 h40
  text "A2" at 3284.74,304 h40
  text "A3" at 3484.74,304 h40
  text "D1" at 3678.07,304 h40
  text "D2" at 3884.74,304 h40
  text "D3" at 4084.74,304 h40
  text "GND" at 4304.73,304 h40
  text "GND" at 4504.73,304 h40

## Text inside footprints (layer, text, board x,y; h text height)
U5003: Bottom Overlay "SD CARD" at 3235.24,3641.13 h60 r180; Bottom Overlay "SD CARD" at 3045.24,3921.13 h60 r90